# KiCad board AMC_FMC_Carrier-PcbDoc.kicad_pcb (continued)
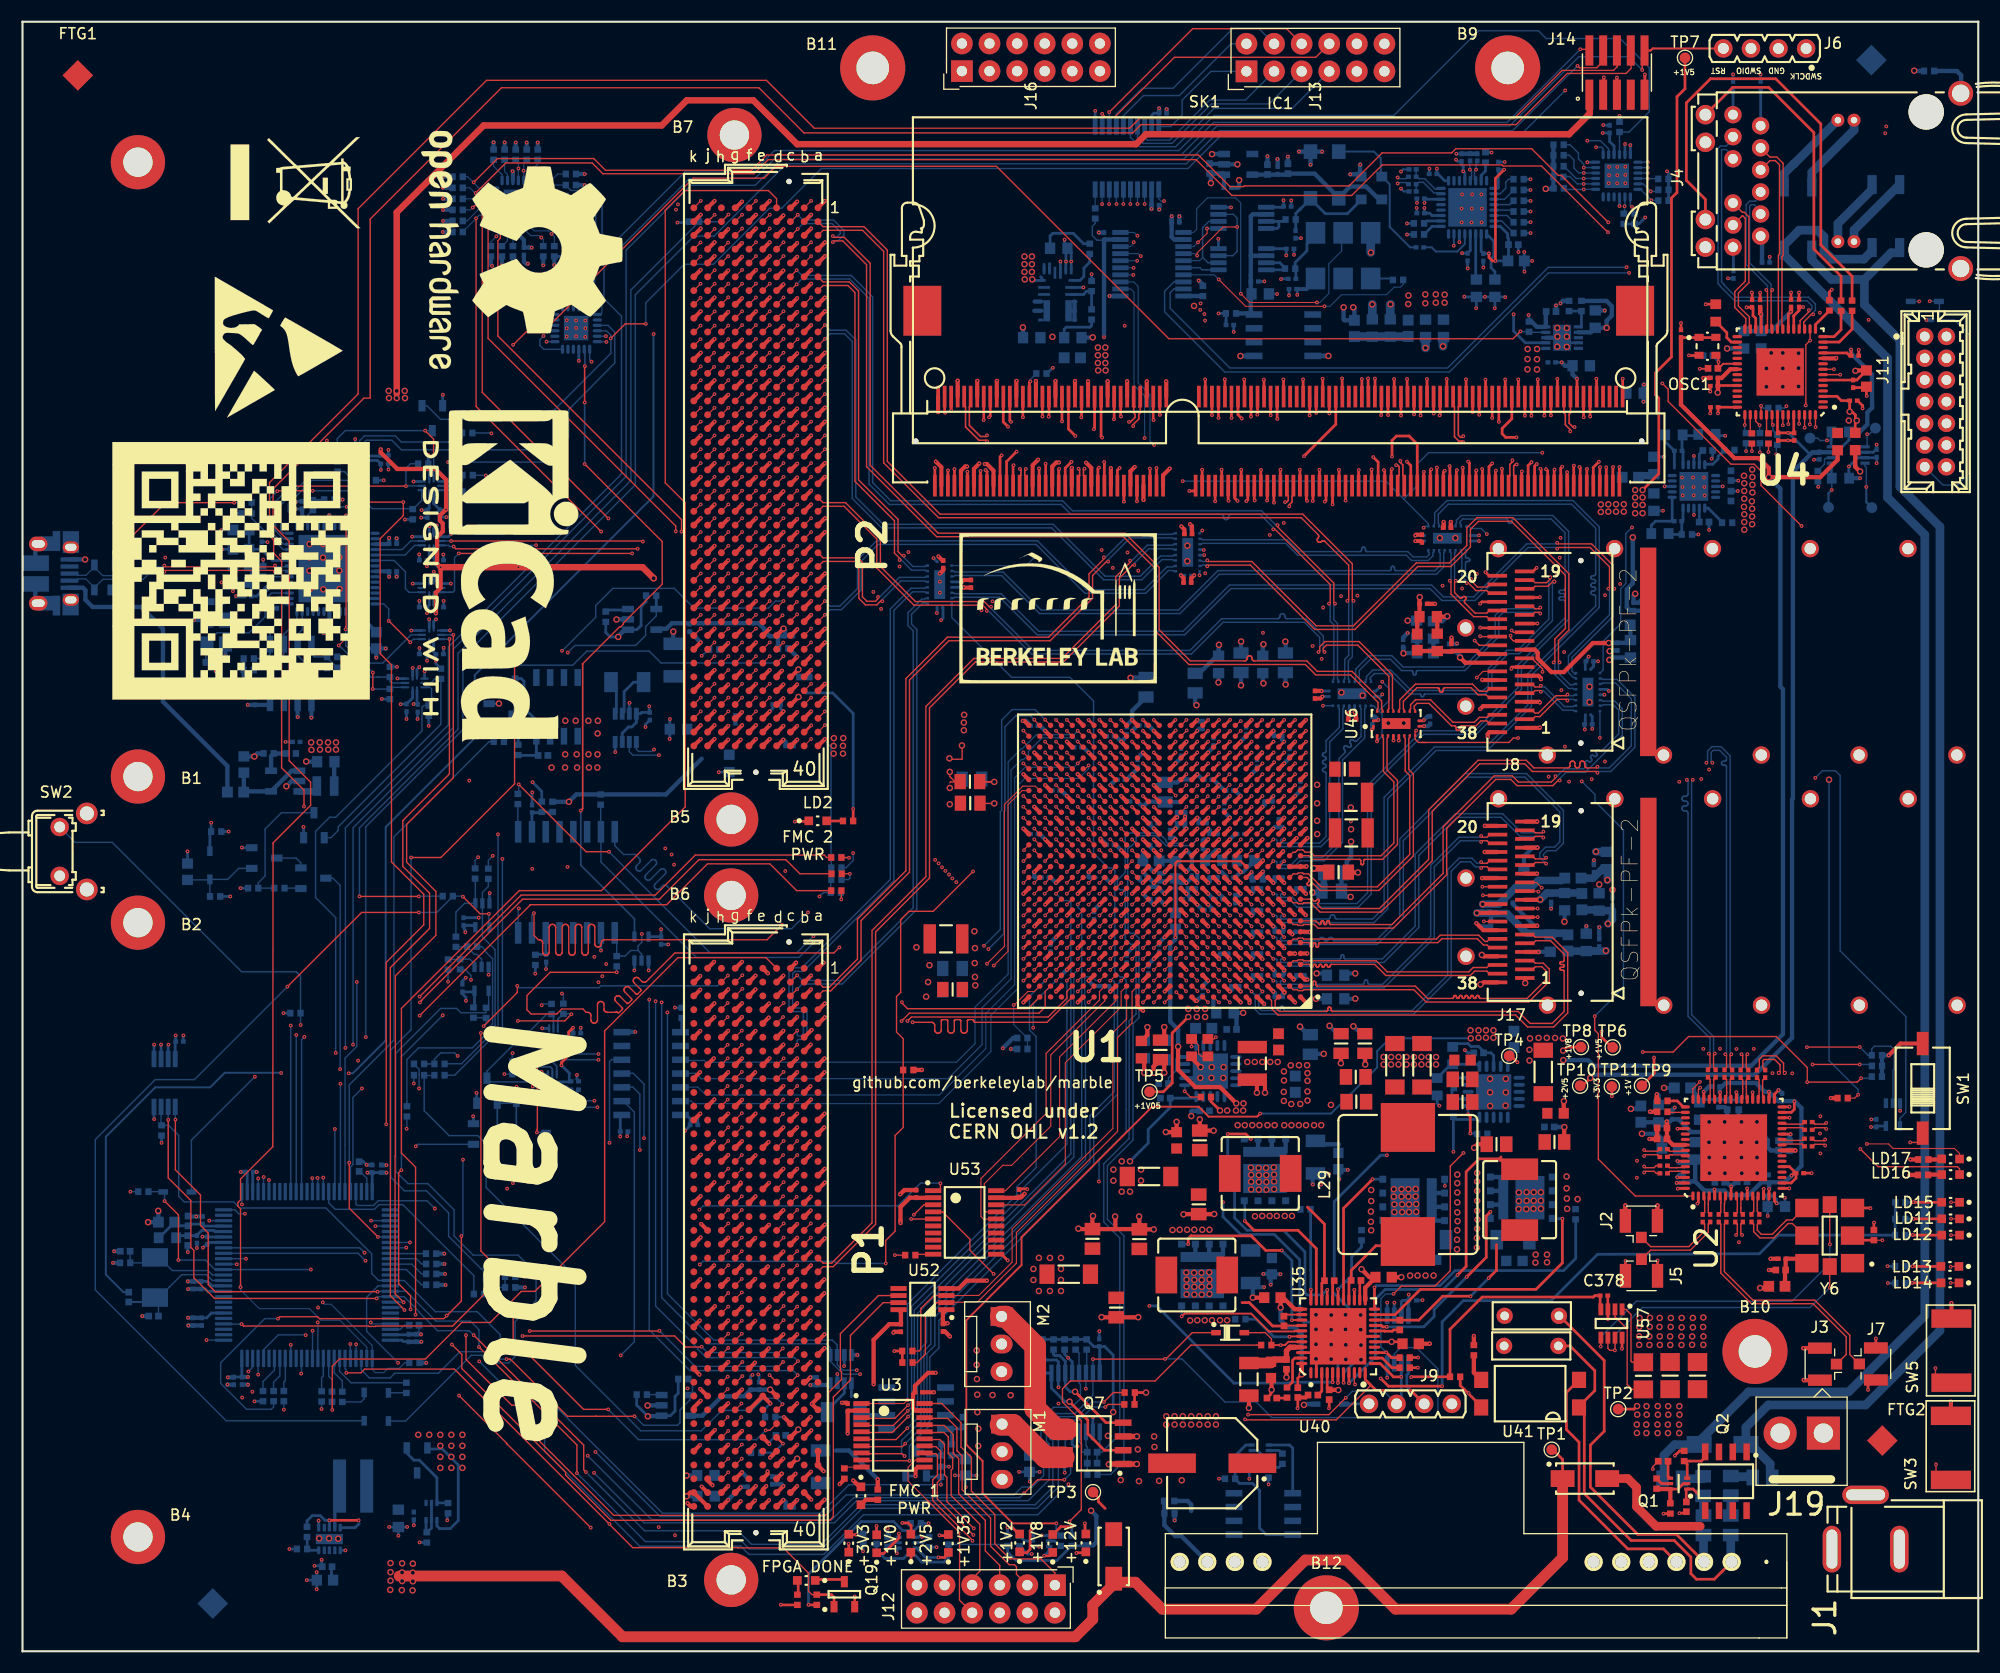
[diagram p0: board, top side]
## Routing (per net, layer and track width the routed paths; a pad name or vN(x,y) marks a point on that pad's centre or on a via; arc(x,y) is an arc through that point) (continued)
  Bottom w0.127: R294.2 v1(159.9,110.37)
/ETH_PHY/RGMII_RXD2: length 112.5
  Top w0.102: U1.H8 v1(111.12,66.73)
  Top w0.127: R295.2 v1(160.69,110.4)
  In2.Cu w0.127: v1(111.12,66.73) 111.37,66.73 111.99,67.35 118.65,67.35 119.61,66.39 125.84,66.39 126.76,65.47 147.33,65.47 158.68,76.82 158.68,83.13 158.68,83.2 158.71,83.26 158.74,83.32 158.79,83.36 158.85,83.4 158.91,83.42 158.98,83.43 159.61,83.43 159.67,83.44 159.74,83.46 159.79,83.5 159.84,83.54 159.88,83.6 159.9,83.66 159.91,83.73 159.9,83.8 159.88,83.86 159.84,83.92 159.79,83.96 159.74,84 159.67,84.02 159.61,84.03 158.98,84.03 158.91,84.04 158.85,84.06 158.79,84.1 158.74,84.14 158.71,84.2 158.68,84.26 158.68,84.33 158.68,84.4 158.71,84.46 158.74,84.52 158.79,84.56 158.85,84.6 158.91,84.62 158.98,84.63 159.61,84.63 159.67,84.64 159.74,84.66 159.79,84.7 159.84,84.74 159.88,84.8 159.9,84.86 159.91,84.93 159.9,85 159.88,85.06 159.84,85.12 159.79,85.16 159.74,85.2 159.67,85.22 159.61,85.23 158.98,85.23 158.91,85.24 158.85,85.26 158.79,85.3 158.74,85.34 158.71,85.4 158.68,85.46 158.68,85.53 158.68,85.6 158.71,85.66 158.74,85.72 158.79,85.76 158.85,85.8 158.91,85.82 158.98,85.83 159.61,85.83 159.67,85.84 159.74,85.86 159.79,85.9 159.84,85.94 159.88,86 159.9,86.06 159.91,86.13 159.9,86.2 159.88,86.26 159.84,86.32 159.79,86.36 159.74,86.4 159.67,86.42 159.61,86.43 158.98,86.43 158.91,86.44 158.85,86.46 158.79,86.5 158.74,86.54 158.71,86.6 158.68,86.66 158.68,86.73 158.68,86.8 158.71,86.86 158.74,86.92 158.79,86.96 158.85,87 158.91,87.02 158.98,87.03 159.61,87.03 159.67,87.04 159.74,87.06 159.79,87.1 159.84,87.14 159.88,87.2 159.9,87.26 159.91,87.33 159.9,87.4 159.88,87.46 159.84,87.52 159.79,87.56 159.74,87.6 159.67,87.62 159.61,87.63 158.98,87.63 158.91,87.64 158.85,87.66 158.79,87.7 158.74,87.74 158.71,87.8 158.68,87.86 158.68,87.93 158.68,88 158.71,88.06 158.74,88.12 158.79,88.16 158.85,88.2 158.91,88.22 158.98,88.23 159.61,88.23 159.67,88.24 159.74,88.26 159.79,88.3 159.84,88.34 159.88,88.4 159.9,88.46 159.91,88.53 159.9,88.6 159.88,88.66 159.84,88.72 159.79,88.76 159.74,88.8 159.67,88.82 159.61,88.83 158.98,88.83 158.91,88.84 158.85,88.86 158.79,88.9 158.74,88.94 158.71,89 158.68,89.06 158.68,89.13 158.68,89.2 158.71,89.26 158.74,89.32 158.79,89.36 158.85,89.4 158.91,89.42 158.98,89.43 159.61,89.43 159.67,89.44 159.74,89.46 159.79,89.5 159.84,89.54 159.88,89.6 159.9,89.66 159.91,89.73 159.9,89.8 159.88,89.86 159.84,89.92 159.79,89.96 159.74,90 159.67,90.02 159.61,90.03 158.98,90.03 158.91,90.04 158.85,90.06 158.79,90.1 158.74,90.14 158.71,90.2 158.68,90.26 158.68,90.33 158.68,90.4 158.71,90.46 158.74,90.52 158.79,90.56 158.85,90.6 158.91,90.62 158.98,90.63 159.61,90.63 159.67,90.64 159.74,90.66 159.79,90.7 159.84,90.74 159.88,90.8 159.9,90.86 159.91,90.93 159.9,91 159.88,91.06 159.84,91.12 159.79,91.16 159.74,91.2 159.67,91.22 159.61,91.23 158.98,91.23 158.91,91.24 158.85,91.26 158.79,91.3 158.74,91.34 158.71,91.4 158.68,91.46 158.68,91.53 158.68,91.6 158.71,91.66 158.74,91.72 158.79,91.76 158.85,91.8 158.91,91.82 158.98,91.83 159.61,91.83 159.67,91.84 159.74,91.86 159.79,91.9 159.84,91.94 159.88,92 159.9,92.06 159.91,92.13 159.9,92.2 159.88,92.26 159.84,92.32 159.79,92.36 159.74,92.4 159.67,92.42 159.61,92.43 158.98,92.43 158.91,92.44 158.85,92.46 158.79,92.5 158.74,92.54 158.71,92.6 158.68,92.66 158.68,92.73 158.68,92.8 158.71,92.86 158.74,92.92 158.79,92.96 158.85,93 158.91,93.02 158.98,93.03 159.61,93.03 159.67,93.04 159.74,93.06 159.79,93.1 159.84,93.14 159.88,93.2 159.9,93.26 159.91,93.33 159.9,93.4 159.88,93.46 159.84,93.52 159.79,93.56 159.74,93.6 159.67,93.62 159.61,93.63 158.98,93.63 158.91,93.64 158.85,93.66 158.79,93.7 158.74,93.74 158.71,93.8 158.68,93.86 158.68,93.93 158.68,94 158.71,94.06 158.74,94.12 158.79,94.16 158.85,94.2 158.91,94.22 158.98,94.23 159.61,94.23 159.67,94.24 159.74,94.26 159.79,94.3 159.84,94.34 159.88,94.4 159.9,94.46 159.91,94.53 159.9,94.6 159.88,94.66 159.84,94.72 159.79,94.76 159.74,94.8 159.67,94.82 159.61,94.83 158.98,94.83 158.91,94.84 158.85,94.86 158.79,94.9 158.74,94.94 158.71,95 158.68,95.06 158.68,95.13 158.68,95.2 158.71,95.26 158.74,95.32 158.79,95.36 158.85,95.4 158.91,95.42 158.98,95.43 159.61,95.43 159.67,95.44 159.74,95.46 159.79,95.5 159.84,95.54 159.88,95.6 159.9,95.66 159.91,95.73 159.9,95.8 159.88,95.86 159.84,95.92 159.79,95.96 159.74,96 159.67,96.02 159.61,96.03 158.98,96.03 158.91,96.04 158.85,96.06 158.79,96.1 158.74,96.14 158.71,96.2 158.68,96.26 158.68,96.33 158.68,96.4 158.71,96.46 158.74,96.52 158.79,96.56 158.85,96.6 158.91,96.62 158.98,96.63 159.61,96.63 159.67,96.64 159.74,96.66 159.79,96.7 159.84,96.74 159.88,96.8 159.9,96.86 159.91,96.93 159.9,97 159.88,97.06 159.84,97.12 159.79,97.16 159.74,97.2 159.67,97.22 159.61,97.23 158.98,97.23 158.91,97.24 158.85,97.26 158.79,97.3 158.74,97.34 158.71,97.4 158.68,97.46 158.68,97.53 158.68,100 159.93,101.25 159.93,108.07 160.69,108.83 v1(160.69,110.4)
/ETH_PHY/RGMII_RXD3: length 112.6
  Top w0.102: U1.H9 v1(110.12,66.73)
  In2.Cu w0.127: v1(161.41,110.18) 161.41,108.1 160.31,107 160.31,89.7 161.16,88.85 161.16,88.78 161.16,88.71 161.13,88.65 161.1,88.59 161.05,88.54 160.99,88.51 160.93,88.49 160.86,88.48 160.47,88.48 160.4,88.47 160.34,88.45 160.28,88.41 160.23,88.36 160.2,88.31 160.18,88.24 160.17,88.18 160.18,88.11 160.2,88.05 160.23,87.99 160.28,87.94 160.34,87.91 160.4,87.88 160.47,87.88 161.24,87.88 161.25,87.88 161.27,87.87 161.28,87.86 161.29,87.85 161.3,87.84 161.31,87.82 161.31,87.81 161.31,87.35 161.31,87.34 161.3,87.32 161.3,87.31 161.28,87.29 161.27,87.29 161.25,87.28 161.24,87.28 160.47,87.28 160.4,87.27 160.34,87.25 160.28,87.21 160.24,87.16 160.2,87.11 160.18,87.04 160.17,86.98 160.18,86.91 160.2,86.85 160.24,86.79 160.29,86.74 160.34,86.71 160.41,86.68 160.47,86.68 161.24,86.68 161.26,86.68 161.27,86.67 161.29,86.66 161.3,86.65 161.31,86.64 161.31,86.62 161.31,86.61 161.31,86.15 161.31,86.14 161.31,86.12 161.3,86.11 161.29,86.09 161.27,86.09 161.26,86.08 161.24,86.08 160.47,86.08 160.41,86.07 160.34,86.05 160.29,86.01 160.24,85.96 160.2,85.91 160.18,85.84 160.17,85.78 160.18,85.71 160.2,85.65 160.24,85.59 160.29,85.54 160.34,85.51 160.41,85.48 160.47,85.48 161.24,85.48 161.26,85.48 161.27,85.47 161.29,85.46 161.3,85.45 161.31,85.44 161.31,85.42 161.32,85.41 161.32,84.95 161.31,84.94 161.31,84.92 161.3,84.91 161.29,84.89 161.28,84.89 161.26,84.88 161.24,84.88 160.48,84.88 160.41,84.87 160.35,84.85 160.29,84.81 160.24,84.76 160.21,84.71 160.18,84.64 160.18,84.58 160.18,84.51 160.21,84.45 160.24,84.39 160.29,84.34 160.35,84.31 160.41,84.28 160.48,84.28 161.25,84.28 161.26,84.28 161.28,84.27 161.29,84.26 161.3,84.25 161.31,84.24 161.32,84.22 161.32,84.21 161.32,83.75 161.32,83.74 161.31,83.72 161.3,83.71 161.29,83.69 161.28,83.69 161.26,83.68 161.25,83.68 160.93,83.68 160.87,83.67 160.82,83.65 160.77,83.62 160.73,83.58 160.7,83.54 160.69,83.49 160.68,83.43 160.68,83.33 160.69,83.27 160.7,83.22 160.73,83.17 160.77,83.13 160.82,83.1 160.87,83.08 160.93,83.08 161.25,83.08 161.26,83.08 161.28,83.07 161.29,83.06 161.3,83.05 161.31,83.04 161.32,83.02 161.32,83.01 161.32,82.55 161.32,82.54 161.31,82.52 161.31,82.51 161.29,82.49 161.28,82.49 161.27,82.48 161.23,82.48 161.22,82.47 161.2,82.46 161.19,82.45 161.18,82.44 161.18,82.42 161.18,82.41 161.18,81.86 161,81.69 160.98,81.67 160.95,81.65 160.91,81.65 160.88,81.65 160.85,81.65 160.82,81.67 160.77,81.71 160.74,81.72 160.7,81.73 160.67,81.73 160.64,81.72 160.61,81.71 160.58,81.69 160.37,81.47 160.35,81.45 160.33,81.42 160.33,81.38 160.33,81.35 160.33,81.32 160.35,81.29 160.37,81.26 160.47,81.16 160.47,81.16 160.51,81.12 160.51,81.11 160.52,81.1 160.52,81.09 160.52,81.08 160.52,81.07 160.51,81.06 160.51,81.05 160.15,80.7 160.14,80.69 160.13,80.69 160.12,80.68 160.11,80.68 160.1,80.69 160.09,80.69 160.07,80.71 160.06,80.71 160.05,80.71 160.04,80.71 160.03,80.71 160.02,80.71 160.01,80.7 159.38,80.06 159.37,80.01 159.35,79.97 159.33,79.92 159.29,79.89 159.25,79.86 159.2,79.85 159.1,79.83 159.06,79.82 159.01,79.79 158.98,79.76 158.95,79.71 158.94,79.67 158.93,79.62 158.93,79.46 158.94,79.41 158.95,79.37 158.98,79.32 159.01,79.29 159.06,79.26 159.1,79.25 159.15,79.24 159.38,79.24 159.38,79.24 159.52,79.24 159.56,79.23 159.59,79.22 159.62,79.21 159.64,79.18 159.66,79.15 159.67,79.12 159.67,79.09 159.67,78.79 159.67,78.75 159.66,78.72 159.64,78.69 159.62,78.67 159.59,78.65 159.56,78.64 159.52,78.64 159.15,78.64 159.1,78.63 159.06,78.62 159.01,78.59 158.98,78.55 158.95,78.51 158.94,78.46 158.93,78.42 158.93,78.26 158.94,78.21 158.95,78.16 158.98,78.12 159.01,78.09 159.06,78.06 159.1,78.04 159.15,78.04 159.52,78.04 159.56,78.03 159.59,78.02 159.62,78.01 159.64,77.98 159.66,77.95 159.67,77.92 159.67,77.89 159.67,77.59 159.67,77.55 159.66,77.52 159.64,77.49 159.62,77.47 159.59,77.45 159.56,77.44 159.49,77.43 159.46,77.42 159.43,77.41 159.41,77.38 159.39,77.35 159.38,77.32 159.38,77.29 159.38,76.63 159.31,76.56 159.27,76.53 159.24,76.52 159.2,76.51 159.16,76.51 159.13,76.52 159.09,76.53 159.03,76.58 159,76.6 158.96,76.61 158.92,76.61 158.88,76.6 158.85,76.58 158.82,76.56 158.64,76.38 158.61,76.35 158.6,76.31 158.59,76.28 158.59,76.24 158.6,76.2 158.61,76.16 158.64,76.13 158.76,76.01 158.76,76.01 158.88,75.89 158.9,75.86 158.92,75.82 158.93,75.79 158.93,75.75 158.92,75.71 158.9,75.67 158.88,75.64 158.7,75.46 158.67,75.44 158.63,75.42 158.6,75.41 158.56,75.41 158.52,75.42 158.49,75.44 158.45,75.46 158.21,75.71 158.18,75.73 158.15,75.75 158.11,75.76 158.07,75.76 158.03,75.75 158,75.73 157.97,75.71 157.79,75.53 157.76,75.5 157.75,75.46 157.74,75.42 157.74,75.39 157.75,75.35 157.76,75.31 157.79,75.28 158.03,75.04 158.05,75.01 158.07,74.97 158.08,74.94 158.08,74.9 158.07,74.86 158.05,74.83 158.03,74.8 157.85,74.62 157.82,74.59 157.79,74.57 157.75,74.57 157.71,74.57 157.67,74.57 157.64,74.59 157.61,74.62 157.36,74.86 157.33,74.88 157.3,74.9 157.26,74.91 157.22,74.91 157.18,74.9 157.15,74.88 157.12,74.86 156.94,74.68 156.91,74.65 156.9,74.61 156.89,74.58 156.89,74.54 156.9,74.5 156.91,74.47 156.94,74.43 157.18,74.19 157.21,74.16 157.22,74.13 157.23,74.09 157.23,74.05 157.22,74.01 157.21,73.98 157.18,73.95 157,73.77 156.97,73.74 156.94,73.73 156.9,73.72 156.86,73.72 156.82,73.73 156.79,73.74 156.76,73.77 156.51,74.01 156.48,74.03 156.45,74.05 156.41,74.06 156.37,74.06 156.33,74.05 156.3,74.03 156.27,74.01 156.09,73.83 156.07,73.8 156.05,73.77 156.04,73.73 156.04,73.69 156.05,73.65 156.07,73.62 156.09,73.59 156.33,73.34 156.36,73.31 156.37,73.28 156.38,73.24 156.38,73.2 156.37,73.16 156.36,73.13 156.33,73.1 156.15,72.92 156.12,72.89 156.09,72.88 156.05,72.87 156.01,72.87 155.97,72.88 155.94,72.89 155.91,72.92 155.67,73.16 155.64,73.19 155.6,73.2 155.56,73.21 155.52,73.21 155.49,73.2 155.45,73.19 155.42,73.16 155.24,72.98 155.22,72.95 155.2,72.92 155.19,72.88 155.19,72.84 155.2,72.8 155.22,72.77 155.24,72.74 155.49,72.49 155.51,72.46 155.53,72.43 155.53,72.39 155.53,72.35 155.53,72.31 155.51,72.28 155.49,72.25 155.3,72.07 155.27,72.05 155.24,72.03 155.2,72.02 155.16,72.02 155.13,72.03 155.09,72.05 155.06,72.07 154.82,72.31 154.79,72.34 154.75,72.35 154.71,72.36 154.68,72.36 154.64,72.35 154.6,72.34 154.57,72.31 154.39,72.13 154.37,72.1 154.35,72.07 154.34,72.03 154.34,71.99 154.35,71.95 154.37,71.92 154.39,71.89 154.64,71.65 154.66,71.62 154.68,71.58 154.69,71.54 154.69,71.5 154.68,71.47 154.66,71.43 154.64,71.4 154.46,71.22 154.43,71.2 154.39,71.18 154.35,71.17 154.31,71.17 154.28,71.18 154.24,71.2 154.21,71.22 153.97,71.47 153.94,71.49 153.9,71.51 153.87,71.51 153.83,71.51 153.79,71.51 153.75,71.49 153.72,71.47 153.54,71.28 153.52,71.25 153.5,71.22 153.49,71.18 153.49,71.14 153.5,71.11 153.52,71.07 153.54,71.04 153.79,70.8 153.81,70.77 153.83,70.73 153.84,70.69 153.84,70.66 153.83,70.62 153.81,70.58 153.79,70.55 153.61,70.37 153.58,70.35 153.54,70.33 153.51,70.32 153.47,70.32 153.43,70.33 153.39,70.35 153.36,70.37 153.12,70.62 153.09,70.64 153.05,70.66 153.02,70.67 152.98,70.67 152.94,70.66 152.91,70.64 152.88,70.62 152.7,70.44 152.67,70.41 152.65,70.37 152.65,70.33 152.65,70.29 152.65,70.26 152.67,70.22 152.7,70.19 152.94,69.95 152.96,69.92 152.98,69.88 152.99,69.85 152.99,69.81 152.98,69.77 152.96,69.73 152.94,69.7 152.76,69.52 152.73,69.5 152.69,69.48 152.66,69.47 152.62,69.47 152.58,69.48 152.55,69.5 152.52,69.52 152.27,69.77 152.24,69.79 152.21,69.81 152.17,69.82 152.13,69.82 152.09,69.81 152.06,69.79 152.03,69.77 151.85,69.59 151.82,69.56 151.81,69.52 151.8,69.49 151.8,69.45 151.81,69.41 151.82,69.37 151.85,69.34 152.09,69.1 152.12,69.07 152.13,69.03 152.14,69 152.14,68.96 152.13,68.92 152.12,68.89 152.09,68.86 151.91,68.68 151.88,68.65 151.85,68.63 151.81,68.63 151.77,68.63 151.73,68.63 151.7,68.65 151.64,68.7 151.6,68.72 151.56,68.72 151.53,68.72 151.49,68.72 151.45,68.7 151.42,68.68 147.76,65.01 125.45,65.01 124.61,65.85 117.82,65.85 117.27,66.4 116.7,66.4 116.56,66.26 115.89,66.26 115.8,66.34 110.51,66.34 v1(110.12,66.73)
  Bottom w0.127: v1(161.41,110.18) 161.41,110.95 R296.2
/ETH_PHY/RGMII_TX_CLK: length 102.3
  Top w0.102: U1.F10 v1(109.06,64.79)
  Top w0.127: v1(163.51,112.99) 163.52,113 U4.53
  In2.Cu w0.127: v1(109.06,64.79) 109.57,64.29 116.67,64.29 116.97,64.59 121.93,64.59 124.43,62.09 134.52,62.09 135.31,62.88 135.73,62.88 135.75,62.88 135.77,62.87 135.79,62.86 135.8,62.85 135.81,62.83 135.82,62.81 135.82,62.77 135.83,62.75 135.84,62.74 135.85,62.72 135.87,62.71 135.89,62.7 135.91,62.7 136.33,62.7 136.35,62.7 136.37,62.71 136.39,62.72 136.4,62.74 136.41,62.75 136.42,62.77 136.42,62.79 136.42,62.88 136.43,62.88 136.43,63.12 136.44,63.17 136.46,63.22 136.48,63.26 136.52,63.3 136.57,63.33 136.62,63.35 136.67,63.35 136.79,63.35 136.85,63.35 136.9,63.33 136.94,63.3 136.98,63.26 137.01,63.22 137.03,63.17 137.03,63.12 137.03,62.79 137.03,62.77 137.04,62.75 137.05,62.74 137.07,62.72 137.08,62.71 137.1,62.7 137.12,62.7 137.54,62.7 137.56,62.7 137.58,62.71 137.6,62.72 137.61,62.74 137.62,62.75 137.63,62.77 137.63,62.79 137.63,63.12 137.64,63.17 137.66,63.22 137.68,63.26 137.72,63.3 137.77,63.33 137.82,63.35 137.87,63.35 137.99,63.35 138.05,63.35 138.1,63.33 138.14,63.3 138.18,63.26 138.21,63.22 138.23,63.17 138.23,63.12 138.23,62.79 138.23,62.77 138.24,62.75 138.25,62.74 138.27,62.72 138.28,62.71 138.3,62.7 138.32,62.7 138.74,62.7 138.76,62.7 138.78,62.71 138.8,62.72 138.81,62.74 138.82,62.75 138.83,62.77 138.83,62.79 138.83,63.12 138.84,63.17 138.86,63.22 138.88,63.26 138.92,63.3 138.97,63.33 139.02,63.35 139.07,63.35 139.19,63.35 139.25,63.35 139.3,63.33 139.34,63.3 139.38,63.26 139.41,63.22 139.43,63.17 139.44,63.06 139.46,63.01 139.48,62.97 139.52,62.93 139.57,62.9 139.62,62.88 139.67,62.88 148.24,62.88 160.69,75.32 160.69,79.51 162.35,81.18 162.35,89.98 161.64,90.68 161.64,106.01 162.37,106.74 162.37,109.7 163.51,110.84 v1(163.51,112.99)
/ETH_PHY/RGMII_TX_EN: length 102.1
  Top w0.102: v1(110.12,61.73) 110.12,61.73 U1.C9
  Top w0.127: v1(165.03,112.68) 165.02,112.7 U4.56
  In2.Cu w0.127: v1(110.12,61.73) 110.62,61.73 111.99,60.37 115.92,60.37 115.99,60.3 116.69,60.3 117.09,60.7 117.09,60.69 138.22,60.69 138.74,61.21 140.9,61.21 142.67,59.44 144.9,59.44 146.29,60.83 148.74,60.83 161.93,74.01 161.93,78.2 163.66,79.94 163.65,90.74 162.83,91.56 162.83,105.08 163.57,105.82 163.57,108.91 165.03,110.38 v1(165.03,112.68)
/ETH_PHY/RGMII_TXD0: length 102.2
  Top w0.102: U1.H11 v1(108.12,66.73)
  Top w0.127: v1(162.01,112.86) 162.02,112.87 U4.50
  In2.Cu w0.127: v1(108.12,66.73) 108.75,66.1 109.39,66.1 109.76,65.73 109.76,65.55 109.95,65.35 123.11,65.35 124.22,64.24 124.42,64.24 124.49,64.24 124.55,64.22 124.61,64.18 124.66,64.13 124.69,64.08 124.72,64.01 124.72,63.94 124.72,63.65 124.73,63.58 124.75,63.52 124.79,63.46 124.84,63.42 124.89,63.38 124.96,63.36 125.02,63.35 125.09,63.36 125.15,63.38 125.21,63.42 125.26,63.46 125.29,63.52 125.32,63.58 125.32,63.65 125.32,64.44 125.33,64.49 125.34,64.53 125.37,64.57 125.4,64.6 125.44,64.62 125.48,64.63 125.52,64.64 125.73,64.64 125.77,64.63 125.81,64.62 125.85,64.6 125.88,64.57 125.9,64.53 125.92,64.49 125.92,64.44 125.92,63.65 125.93,63.58 125.95,63.52 125.99,63.46 126.04,63.42 126.09,63.38 126.16,63.36 126.22,63.35 126.29,63.36 126.35,63.38 126.41,63.42 126.46,63.46 126.49,63.52 126.52,63.58 126.52,63.65 126.52,63.94 126.53,64.01 126.55,64.08 126.59,64.13 126.64,64.18 126.69,64.22 126.76,64.24 126.82,64.24 130.74,64.24 132.03,62.96 133.96,62.96 135.02,64.02 147.63,64.02 159.92,76.31 159.92,80.08 161.58,81.74 161.58,89.18 160.69,90.08 160.69,106.43 161.78,107.53 161.78,112.63 v1(162.01,112.86)
/ETH_PHY/RGMII_TXD1: length 102.2
  Top w0.102: v1(107.13,66.73) 106.63,67.23 106.62,67.23
  Top w0.127: v1(162.52,112.96) 162.52,112.96 U4.51
  In2.Cu w0.127: v1(107.13,66.73) 107.61,66.73 108.75,65.59 108.75,65.55 109.21,65.1 116.52,65.1 116.66,64.95 122.35,64.95 124.8,62.49 127.88,62.49 127.89,62.49 127.91,62.49 127.92,62.48 127.93,62.47 127.94,62.45 127.95,62.44 127.95,62.41 127.96,62.39 127.97,62.38 127.98,62.37 127.99,62.36 128,62.35 128.02,62.35 128.58,62.35 128.59,62.35 128.61,62.36 128.62,62.37 128.63,62.38 128.64,62.39 128.65,62.41 128.65,62.42 128.65,62.49 128.65,62.49 128.65,62.82 128.66,62.89 128.69,62.96 128.72,63.02 128.77,63.07 128.84,63.11 128.9,63.13 128.97,63.14 129.03,63.14 129.1,63.13 129.17,63.11 129.23,63.07 129.28,63.02 129.32,62.96 129.35,62.89 129.36,62.74 129.39,62.68 129.42,62.62 129.47,62.56 129.54,62.53 129.6,62.5 129.67,62.49 134.26,62.49 135.4,63.64 148.09,63.64 160.33,75.88 160.33,79.78 162.01,81.46 162.01,89.55 161.16,90.4 161.16,106.34 162.01,107.19 162.01,110.08 162.97,111.04 162.97,112.52 v1(162.52,112.96)
/ETH_PHY/RGMII_TXD2: length 97.3
  Top w0.11: U1.D8 111.1,62.75 v1(111.12,62.75)
  Top w0.127: U4.54 v1(164.02,112.63)
  In2.Cu w0.127: v1(164.02,112.63) 164.02,110.59 162.79,109.36 162.79,106.33 162.01,105.55 162.01,91.07 162.78,90.3 162.79,82.52 162.79,80.88 161.08,79.17 161.08,74.88 149.34,63.13 149.34,63.12 148.63,62.41 135.85,62.41 135.28,61.85 133.96,61.85 133.84,61.73 119.08,61.73 118.64,62.17 116.1,62.17 115.89,62.38 111.49,62.38 v1(111.12,62.75)
/ETH_PHY/RGMII_TXD3: length 102.3
  Top w0.102: v1(110.12,62.73) 110.12,62.73 U1.D9
  Top w0.127: U4.55 164.52,112.95 v1(164.5,112.94)
  In2.Cu w0.127: v1(110.12,62.73) 110.62,62.73 112.12,61.22 119.38,61.22 119.42,61.22 119.44,61.21 119.47,61.19 119.49,61.17 119.51,61.15 119.52,61.12 119.52,61.06 119.53,61.03 119.55,61 119.57,60.98 119.6,60.96 119.63,60.95 119.66,60.95 119.98,60.95 120.02,60.95 120.04,60.96 120.07,60.98 120.09,61 120.11,61.03 120.12,61.06 120.12,61.09 120.12,61.22 120.13,61.22 120.13,61.33 120.14,61.36 120.15,61.38 120.16,61.4 120.18,61.42 120.2,61.43 120.22,61.44 120.25,61.44 120.62,61.44 120.65,61.44 120.67,61.43 120.69,61.42 120.71,61.4 120.72,61.38 120.73,61.36 120.73,61.33 120.73,61.09 120.74,61.06 120.75,61.03 120.76,61 120.79,60.98 120.81,60.96 120.84,60.95 120.87,60.95 121.2,60.95 121.23,60.95 121.26,60.96 121.28,60.98 121.31,61 121.32,61.03 121.33,61.06 121.33,61.09 121.33,61.33 121.34,61.36 121.35,61.38 121.36,61.4 121.38,61.42 121.4,61.43 121.42,61.44 121.45,61.44 121.82,61.44 121.85,61.44 121.87,61.43 121.89,61.42 121.91,61.4 121.92,61.38 121.93,61.36 121.93,61.33 121.93,61.09 121.94,61.06 121.95,61.03 121.96,61 121.99,60.98 122.01,60.96 122.04,60.95 122.07,60.95 122.4,60.95 122.43,60.95 122.46,60.96 122.48,60.98 122.51,61 122.52,61.03 122.53,61.06 122.53,61.09 122.53,61.33 122.54,61.36 122.55,61.38 122.56,61.4 122.58,61.42 122.6,61.43 122.62,61.44 122.65,61.44 123.02,61.44 123.05,61.44 123.07,61.43 123.09,61.42 123.11,61.4 123.12,61.38 123.13,61.36 123.13,61.33 123.13,61.09 123.14,61.06 123.15,61.03 123.16,61 123.19,60.98 123.21,60.96 123.24,60.95 123.27,60.95 123.6,60.95 123.63,60.95 123.66,60.96 123.68,60.98 123.71,61 123.72,61.03 123.73,61.06 123.74,61.12 123.75,61.15 123.76,61.17 123.79,61.19 123.81,61.21 123.84,61.22 123.87,61.22 133.29,61.22 133.6,60.92 137.02,60.92 138.08,61.97 138.52,61.97 138.62,61.88 148.9,61.88 161.48,74.45 161.48,78.72 163.13,80.38 163.13,90.59 162.47,91.26 162.47,105.34 162.56,105.43 163.13,106.01 163.13,109.09 164.5,110.46 v1(164.5,112.94)
/FANFAIL: length 166
  In2.Cu w0.127: v1(52.73,18.35) 49.57,21.52 49.57,47.51 49.26,47.82 49.26,100.95 49.81,101.49 53.74,105.4 v1(53.74,120.53)
  Bottom w0.127: R173.2 97.24,27.45 U27.5 97.24,24.7 97.36,24.58 97.36,23.25 96.57,22.46 94.89,22.46 93.74,21.3 93.74,19 93.97,18.76 93.97,16.17 92.92,15.12 91.98,15.12 91.26,14.39 82.67,14.39 ; U39.6 53.72,120.55 v1(53.74,120.53) ; 82.67,14.39 75.79,14.39 73.81,12.41 58.67,12.41 v1(52.73,18.35) ; 82.67,14.39 82.61,14.39
/FMC1_PRSNT_M2C_L: length 27.9
  Top w0.102: P1.H2 v1(64.92,62.2)
  Top w0.127: v1(45.54,61.26) 45.54,60.64 v1(42.44,57.54)
  Bottom w0.127: v1(64.92,62.2) 63.98,61.26 58.82,61.26 ; 58.82,61.26 58.9,61.26 ; 58.82,61.26 53.23,61.26 53.06,61.08 45.71,61.08 v1(45.54,61.26) ; v1(42.44,57.54) 42.67,57.77 R63.1 42.64,58.32 R234.2
/FMC1_PRSNT_Override: length 2
  Bottom w0.127: D18.2 35.5,23.79 35.48,23.78 R151.1
/FMC1_TCK: length 60.4
  Top w0.127: v1(62.51,28.03) 62.48,28.01 61.03,28.01 60.02,29.02 v1(46.02,29.02) ; P1.D29 v1(69.97,27.88)
  In2.Cu w0.127: v1(40.05,54.8) 40.05,37.98 39.92,37.85 39.92,31.49 42.39,29.02 v1(46.02,29.02)
  Bottom w0.127: v1(62.51,28.03) 63.04,27.5 69.59,27.5 v1(69.97,27.88) ; 37.38,54.07 R239.1 R241.2 37.91,54.5 38.48,55.08 39.77,55.08 v1(40.05,54.8)
/FMC1_TDI: length 64.2
  Top w0.127: P1.D30 v1(70,26.64) ; v1(58.62,29.51) 58.59,29.48 v1(46.68,29.48)
  In2.Cu w0.127: v1(46.68,29.48) 43.2,29.48 41.65,31.03 41.65,37.58 40.97,38.27 40.97,49.65 41.27,49.95 v1(41.27,61.81)
  Bottom w0.127: v1(70,26.64) 69.59,26.23 61.9,26.23 v1(58.62,29.51) ; v1(41.27,61.81) 41.27,62.22 40.73,62.77 R277.1
/FMC1_TDO: length 64.1
  Top w0.127: v1(43.86,31.84) 43.86,35.17 42.19,36.85 v1(42.19,56.91) ; P1.D31 v1(68.76,25.42)
  In9.Cu w0.127: v1(68.76,25.42) 68.22,24.88 53.24,24.88 46.28,31.84 v1(43.86,31.84)
  Bottom w0.127: R278.1 42.26,64.86 42.58,64.54 42.58,64.43 43.27,63.74 43.27,57.74 42.43,56.91 v1(42.19,56.91)
/FMC1_TMS: length 58.7
  Top w0.127: P1.D33 69.43,22.23 v1(69.95,22.75)
  Bottom w0.127: 36.99,53 37.83,53 37.86,53.03 ; v1(69.95,22.75) 69.41,23.29 68.23,23.29 67.11,22.17 64.35,22.17 62.48,20.3 56.9,20.3 50.87,26.32 50.87,34.48 42.67,42.69 42.67,46.7 41.9,47.46 39.27,47.46 36.97,49.76 R240.1
/FMC1_TRST: length 35.9
  Top w0.127: v1(53.91,22.27) 51.64,22.27 45.16,28.74 v1(45.16,31.16) ; v1(68.4,20.34) 68.78,20.34 P1.D34
  Bottom w0.127: v1(45.16,31.16) 43.43,32.88 R290.1 42.48,34.05 R289.2 ; v1(68.4,20.34) 67.54,19.47 56.71,19.47 v1(53.91,22.27)
/FMC2_PRSNT_M2C_L: length 86.6
  Top w0.127: P2.H2 v1(64.97,132.25) ; v1(31.01,69.48) v1(36.47,69.48)
  Bottom w0.127: R276.1 36.5,69.51 v1(36.47,69.48) ; 62.27,131.59 64.31,131.59 v1(64.97,132.25) ; v1(31.01,69.48) 31.01,75.8 40.08,84.86 40.08,91.86 55.99,107.78 55.99,125.31 62.27,131.58 R205.2
/FMC2_PRSNT_Override: length 2.7
  Bottom w0.127: D17.2 31.44,23.24 31.15,22.95 R152.1
/FMC2_TCK: length 66.6
  Top w0.127: P2.D29 v1(70.04,97.95)
  In4.Cu w0.127: v1(70.04,97.95) 69.39,97.3 56.31,97.3 54.17,95.16 54.17,94.72 43.76,84.31 v1(43.76,75.2)
  GND5.Cu w0.127: 43.94,75.37 v1(43.76,75.2)
  Bottom w0.127: v1(43.76,75.2) 43.76,57.45 40.4,54.08 38.8,54.08 ; R241.1 38.85,54.05
/FMC2_TDI: length 48.7
  Top w0.112: P2.D30 v1(70.04,96.68)
  In7.Cu w0.127: v1(49.65,92.09) 41.93,84.37 v1(41.93,73.09)
  Bottom w0.127: 41.63,72.06 R279.1 41.65,72.81 v1(41.93,73.09) ; v1(49.65,92.09) 49.67,92.09 52.75,95.18 52.75,96.26 54.34,97.84 59.98,97.84 61.8,96.03 68.66,96.03 69.31,96.68 v1(70.04,96.68)
